# Altium PCB 4layers.PcbDoc (part 2 of 2)
Units mm, origin at the board's own origin, x right, y up, seen from the top; angles counter-clockwise.
Board outline 110 x 95 mm, 4 copper layers (Top Layer, Int1, Int2, Bottom Layer), stack 1.526 mm thick; 122 components, 92 nets, 489 pads, 331 vias.
Unrouted connection lines stored in the file: 104.
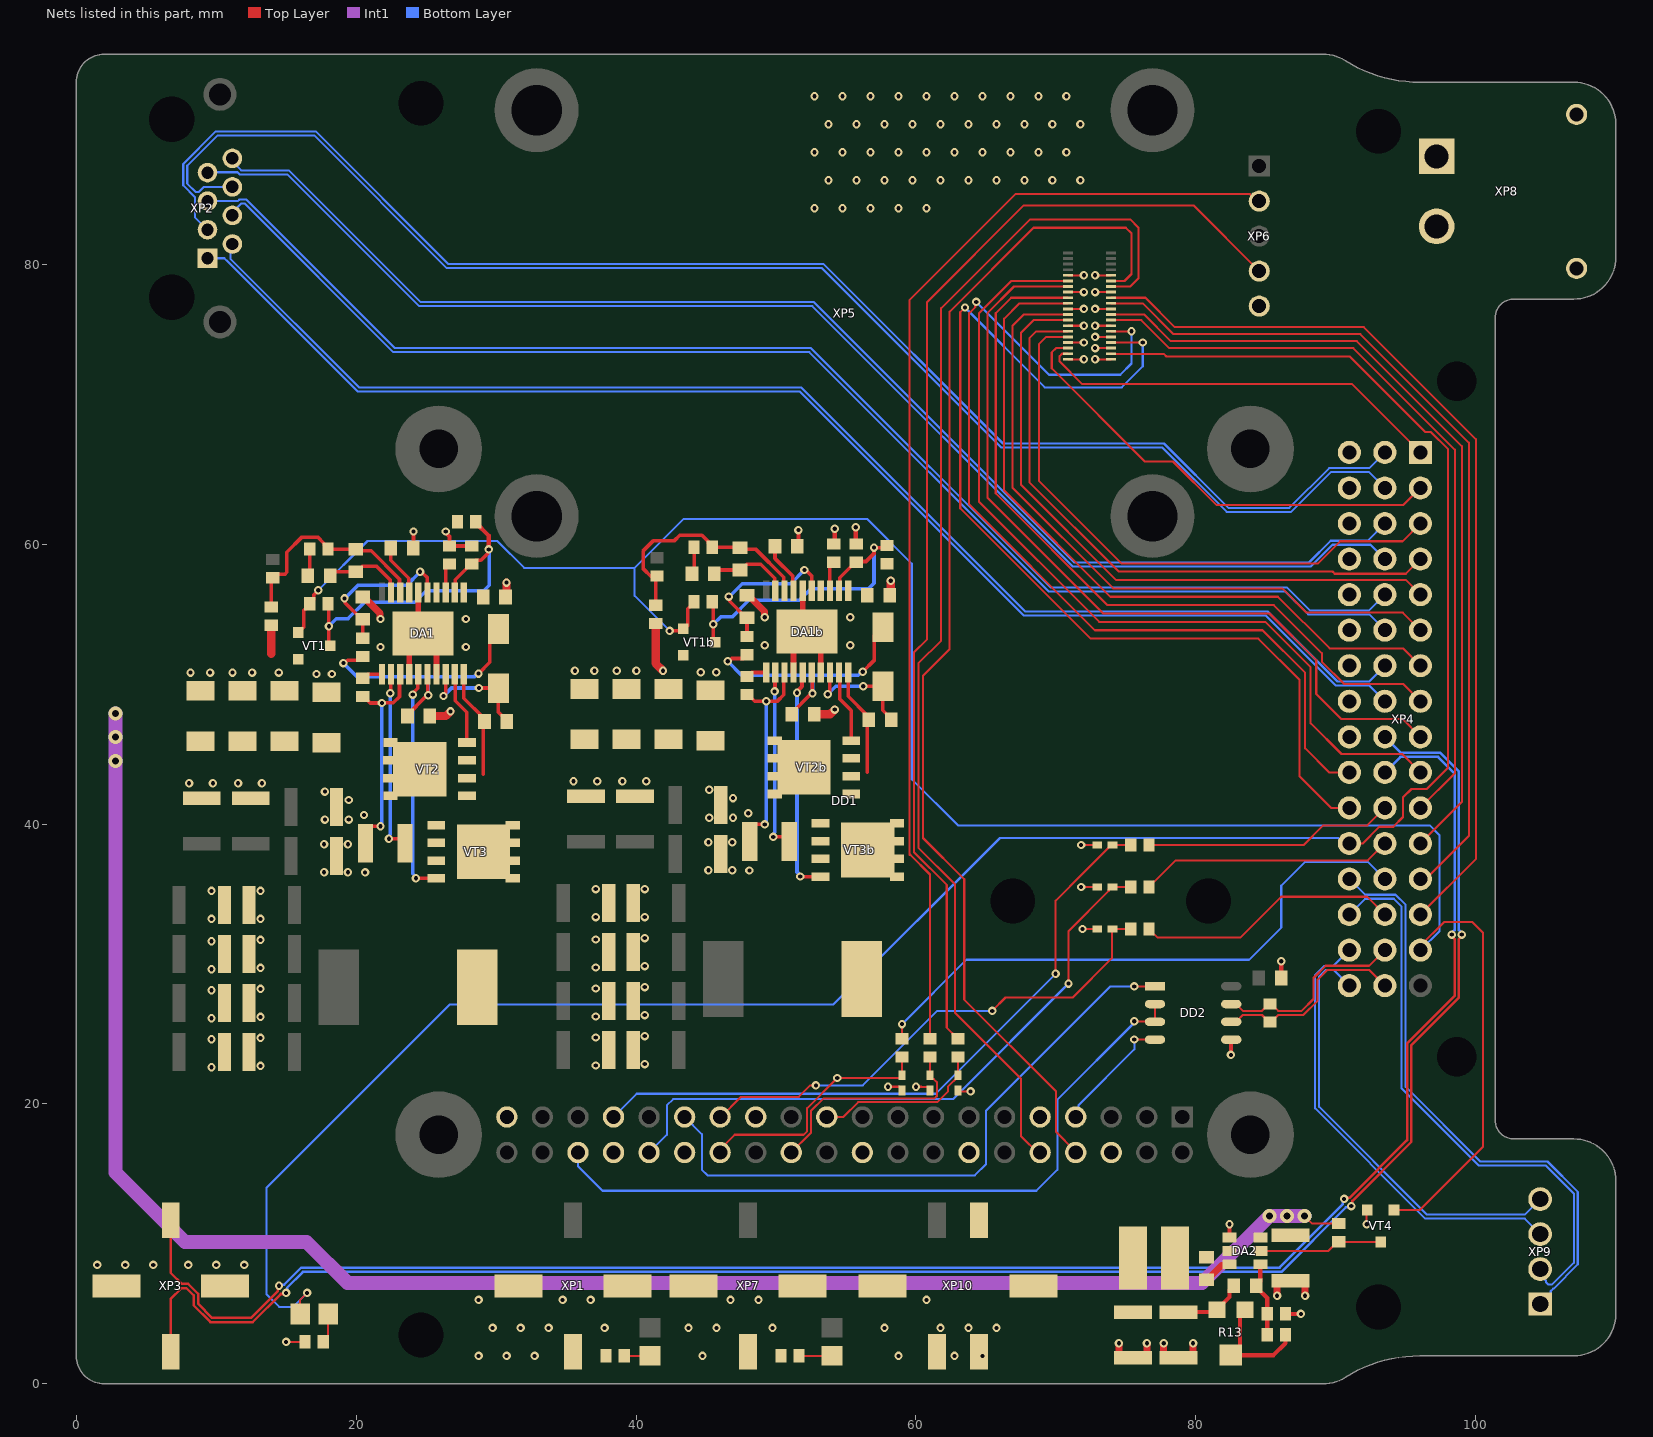
[diagram p4: the nets of this part, all layers, seen from the top]

## Via types
v1: diameter 0.6, hole 0.3, Top Layer to Bottom Layer, tented both sides, 324 vias
v2: diameter 1, hole 0.5, Top Layer to Bottom Layer, tented both sides, 6 vias
v3: diameter 0.6, hole 0.3, Top Layer to Bottom Layer, 1 vias

## Nets (pads, with @x,y where several pads share a name; then routed paths per layer and width w, separated by ;. In a path a pad name is that pad's centre, name@x,y a point inside that pad or via, vN(x,y) a via of type N, cw(c..) or ccw(c..) an arc to the next point about the centre after c; other vN are vias at no path point) (continued)
+V_BAT: C4.2 C4b.2 C8.2 C8b.2 C10.2 C10b.2 C12.2 C12b.2 C14.2 C14b.2 C24.2 DA1.1 DA1.4 DA1b.1 DA1b.4 DA2.3 R2.2 R2b.2 R18.2 VT2.5 VT2.6 VT2.7 VT2.8 VT2.9 VT2b.5 VT2b.6 VT2b.7 VT2b.8 VT2b.9 XP8.P | length 125.9
  Top Layer w0.15: v2@87.963,12 v2(87.75,12) 88.3,11.45 R18.2@90.2,11.45
  Int1 w1: v2(2.8,47.9) v2(2.8,46.2) v2(2.8,44.5) 2.8,15.1 7.763,10.137 16.463,10.137 19.4,7.2 80.45,7.2 v2(85.25,12) v2(86.5,12) v2(87.75,12)
  other v1: 52.75,84 54.75,84 56.75,84 58.75,84 60.75,84 53.75,86 55.75,86 57.75,86 59.75,86 61.75,86 63.75,86 65.75,86 67.75,86 69.75,86 71.75,86 52.75,88 54.75,88 56.75,88 58.75,88 60.75,88 62.75,88 64.75,88 66.75,88 68.75,88 70.75,88 53.75,90 55.75,90 57.75,90 59.75,90 61.75,90 63.75,90 65.75,90 67.75,90 69.75,90 71.75,90 52.75,92 54.75,92 56.75,92 58.75,92 60.75,92 62.75,92 64.75,92 66.75,92 68.75,92 70.75,92
+V_PUMP: C26.2 C27.2 C28.2 L2.2 R13.3 XP10.2 | length 5
  Top Layer w0.3: C27.2@78.75,5.125 81.325,5.125 R13.3@81.5,5.3 82.4,6.2 82.4,6.7 C26.2@82.7,7
BDSHOT1: XP4.A4 XP5.30 | length 44.3
  Top Layer w0.15: XP5.30@70.86,75.2 68.6,75.2 68.1,74.7 68.1,64.425 74.485,58.04 89.76,58.04 89.92,57.88 94.99,57.88 XP4.A4@96.04,58.93
BDSHOT2: XP4.A5 XP5.26 | length 46.4
  Top Layer w0.15: XP5.26@70.86,76 68.4,76 67.5,75.1 67.5,64.225 74.285,57.44 94.99,57.44 XP4.A5@96.04,56.39
BDSHOT3: XP4.A1 XP5.38 | length 29.5
  Top Layer w0.15: XP5.38@70.86,73.6 70.435,73.6 70.259,73.424 70.259,73.041 71.85,71.45 91.14,71.45 XP4.A1@96.04,66.55
BDSHOT4: XP4.A6 XP5.24 | length 49.2
  Top Layer w0.15: XP5.24@70.86,76.4 67.7,76.4 66.9,75.6 66.9,64.025 74.085,56.84 86.16,56.84 87.9,55.1 94.79,55.1 XP4.A6@96.04,53.85
BDSHOT5: XP4.A2 XP5.36 | length 33.3
  Top Layer w0.15: XP5.36@70.86,74 70,74 69.7,73.7 69.7,72.55 76.35,65.9 78.36,65.9 81.46,62.8 94.83,62.8 XP4.A2@96.04,64.01
BDSHOT6: XP4.A3 XP5.32 | length 42.9
  Top Layer w0.15: XP5.32@70.86,74.8 69.3,74.8 68.8,74.3 68.8,64.5 74.7,58.6 88.7,58.6 90.3,60.2 94.77,60.2 XP4.A3@96.04,61.47
BDSHOT7: XP4.A7 XP5.20 | length 52.2
  Top Layer w0.15: XP5.20@70.86,77.2 67.4,77.2 66.3,76.1 66.3,63.825 73.886,56.24 85.86,56.24 89.55,52.55 94.8,52.55 XP4.A7@96.04,51.31
BDSHOT8: XP4.A8 XP5.18 | length 55.3
  Top Layer w0.15: XP5.18@70.86,77.6 66.8,77.6 65.7,76.5 65.7,63.625 73.685,55.64 85.56,55.64 89,52.2 89,51.6 90.6,50 94.81,50 XP4.A8@96.04,48.77
BDSHOT9: XP4.A9 XP5.14 | length 59.2
  Top Layer w0.15: XP5.14@70.86,78.4 67,78.4 65.1,76.5 65.1,63.325 73.385,55.04 85.26,55.04 88.6,51.7 88.6,49.29 90.39,47.5 94.77,47.5 XP4.A9@96.04,46.23
BDSHOT10: XP4.A10 XP5.12 | length 62.7
  Top Layer w0.15: XP5.12@70.86,78.8 66.8,78.8 64.5,76.5 64.5,63.025 73.085,54.44 84.96,54.44 88.2,51.2 88.2,47.2 90.4,45 94.73,45 XP4.A10@96.04,43.69
DCDC_EN: R1.1 R1b.1 VT1.1 VT1b.1 VT4.1 XP4.A15 | length 152.9
  Top Layer w0.15: VT4.1@94.15,12.425 96,12.425 100.5,16.925 100.5,32.25 99.75,33 97.75,33 96.04,31.29 XP4.A15@96.04,30.99
  Top Layer w0.254: VT1.1@15.842,53.649 16.242,54.049 16.242,55.247 16.391,55.396 16.419,55.396 16.692,55.669 R1.1@16.692,55.744 16.965,56.017 16.965,56.365 v1(17.3,56.7) ; v1(42.4,53.8) 43.28,53.8 43.3,53.78 43.7,54.18 43.7,55.378 43.849,55.527 43.877,55.527 44.15,55.8 R1b.1@44.15,55.875
  Bottom Layer w0.15: v1(17.3,56.7) 20.817,60.217 30.083,60.217 32,58.3 39.9,58.3 ; v1(42.4,53.8) 39.9,56.3 39.9,58.3 ; XP4.A15@96.04,30.99 97.4,32.35 97.4,39.2 96.7,39.9 63,39.9 59.7,43.2 59.7,58.6 56.5,61.8 43.4,61.8 39.9,58.3
"ETH 1_N": XP2.2 XP4.B7 | length 96.6
  Bottom Layer w0.15: XP2.2@11.16,81.44 11.017,81.297 11.017,80.392 20.225,71.184 51.816,71.184 67.817,55.183 85.117,55.183 90.118,50.182 92.372,50.182 XP4.B7@93.5,51.31
"ETH 1_P": XP2.1 XP4.B8 | length 97.2
  Bottom Layer w0.15: XP2.1@9.38,80.42 10.587,80.42 10.816,80.191 20.107,70.9 51.698,70.9 67.699,54.899 84.999,54.899 90,49.898 92.372,49.898 XP4.B8@93.5,48.77
"ETH 2_N": XP2.6 XP4.B2 | length 104.2
  Bottom Layer w0.15: XP2.6@11.16,85.52 9.129,85.52 8.771,85.162 8.522,85.162 7.934,85.75 7.934,87.034 10.1,89.2 16.998,89.2 26.482,79.716 53.284,79.716 66.1,66.9 77.598,66.9 82.198,62.3 86.8,62.3 89.638,65.138 92.372,65.138 XP4.B2@93.5,64.01
"ETH 2_P": XP2.3 XP4.B1 | length 105
  Bottom Layer w0.15: XP2.3@9.38,82.46 8.481,83.359 8.481,84.801 7.65,85.632 7.65,87.152 9.982,89.484 17.116,89.484 26.6,80 53.402,80 66.218,67.184 77.716,67.184 82.316,62.584 86.682,62.584 89.52,65.422 92.372,65.422 XP4.B1@93.5,66.55
"ETH 3_N": XP2.5 XP4.B5 | length 96.8
  Bottom Layer w0.15: XP2.5@9.38,84.5 11.547,84.5 11.668,84.621 12.152,84.621 22.773,74 52.502,74 69.618,56.884 86.518,56.884 88.14,55.262 92.372,55.262 XP4.B5@93.5,56.39
"ETH 3_P": XP2.4 XP4.B6 | length 95.5
  Bottom Layer w0.15: XP2.4@11.16,83.48 11.16,83.711 11.786,84.337 12.034,84.337 22.655,73.716 52.384,73.716 69.5,56.6 86.4,56.6 88.022,54.978 92.372,54.978 XP4.B6@93.5,53.85
"ETH 4_N": XP2.8 XP4.B3 | length 95.6
  Bottom Layer w0.15: XP2.8@11.16,87.56 11.16,87.329 11.786,86.703 15.197,86.703 24.616,77.284 52.716,77.284 71.316,58.684 88.082,58.684 89.637,60.239 92.269,60.239 XP4.B3@93.5,61.47
"ETH 4_P": XP2.7 XP4.B4 | length 96.9
  Bottom Layer w0.15: XP2.7@9.38,86.54 9.407,86.567 11.52,86.567 11.668,86.419 15.079,86.419 24.498,77 52.598,77 71.198,58.4 88.2,58.4 89.755,59.955 92.475,59.955 XP4.B4@93.5,58.93
eth_5_N: XP4.C15 XP9.3 | length 32.5
  Bottom Layer w0.15: XP4.C15@90.96,30.99 89.832,29.862 89.16,29.862 88.516,29.218 88.516,19.682 96.39,11.808 103.492,11.808 XP9.3@104.6,10.7
eth_5_P: XP4.C16 XP9.4 | length 31.6
  Bottom Layer w0.15: XP4.C16@90.96,28.45 89.832,29.578 89.278,29.578 88.8,29.1 88.8,19.8 96.508,12.092 103.492,12.092 XP9.4@104.6,13.2
eth_6_N: XP4.C13 XP9.1 | length 42.3
  Bottom Layer w0.15: XP4.C13@90.96,36.07 92.088,34.942 94.26,34.942 94.984,34.218 94.984,21.216 100.316,15.884 105.118,15.884 107.284,13.718 107.284,8.538 105.554,6.808 105.526,6.808 105.35,6.632 105.35,6.45 XP9.1@104.6,5.7
eth_6_P: XP4.C14 XP9.2 | length 41.6
  Bottom Layer w0.15: XP4.C14@90.96,33.53 92.088,34.658 94.142,34.658 94.7,34.1 94.7,21.098 100.198,15.6 105,15.6 107,13.6 107,8.655 105.437,7.092 105.188,7.092 105.012,7.268 105.012,7.368 104.6,7.781 XP9.2@104.6,8.2
GA_N: XP3.2 XP4.B10 | length 133.2
  Top Layer w0.18: XP3.2@6.75,11.7 6.75,7.939 7.551,7.138 8.006,7.138 8.705,6.439 8.705,5.729 9.717,4.717 12.487,4.717 14.407,6.637 14.407,6.932 v1(14.487,7.013) ; v1(90.587,13.213) 90.668,13.293 90.963,13.293 95.093,17.423 95.093,24.327 98.484,27.718 98.484,31.777 98.275,31.986 v1(98.275,32.1)
  Bottom Layer w0.18: v1(14.487,7.013) 14.568,7.093 14.863,7.093 16.077,8.307 85.977,8.307 90.507,12.837 90.507,13.132 v1(90.587,13.213) ; XP4.B10@93.5,43.69 94.61,44.8 97.3,44.8 98.484,43.616 98.484,32.423 98.275,32.214 v1(98.275,32.1)
GA_P: XP3.1 XP4.B9 | length 134.2
  Top Layer w0.18: XP3.1@6.75,2.3 6.75,6.061 7.52,6.831 7.879,6.831 8.398,6.312 8.398,5.602 9.59,4.41 12.615,4.41 14.624,6.42 14.92,6.42 v1(15,6.5) ; v1(91.1,12.7) 91.18,12.78 91.18,13.076 95.4,17.296 95.4,24.2 98.791,27.591 98.791,31.777 99,31.986 v1(99,32.1)
  Bottom Layer w0.18: v1(15,6.5) 15.08,6.58 15.08,6.876 16.204,8 86.104,8 90.724,12.62 91.02,12.62 v1(91.1,12.7) ; XP4.B9@93.5,46.23 94.623,45.107 97.427,45.107 98.791,43.743 98.791,32.423 99,32.214 v1(99,32.1)
GND: C3.1 C3b.1 C4.1 C4b.1 C5.1 C5b.1 C6.1 C6b.1 C7.1 C7b.1 C8.1 C8b.1 C9.1 C9b.1 C10.1 C10b.1 C11.1 C11b.1 C12.1 C12b.1 C13.1 C13b.1 C14.1 C14b.1 C15.1 C15b.1 C16.2 C16b.2 C17.1 C17b.1 C18.1 C18b.1 C20.1 C20b.1 C21.1 C21b.1 C22.1 C22b.1 C23.1 C23b.1 C24.1 C27.1 C28.1 C29.2 DA1.6 DA1.13 DA1.14 DA1.17 DA1.21 DA1b.6 DA1b.13 DA1b.14 DA1b.17 DA1b.21 DA2.4 DD1.6 DD1.9 DD1.14 DD1.20 DD1.25 DD1.30 DD1.34 DD1.39 DD2.5 R3.1 R3b.1 R5.1 R5b.1 R7.2 R7b.2 R8.1 R8b.1 R10.1 R10b.1 R12.1 R15.1 R16.1 R17.1 VD2.1 VD4.1 VD5.1 VD7.1 VD8.1 VD9.1 VT1.2 VT1b.2 VT4.2 XP1.0 XP1.2 XP3.0 XP4.C1 XP4.C2 XP4.C3 XP4.C4 XP4.C5 XP4.C6 XP4.C7 XP4.C8 XP4.C9 XP5.9 XP5.10 XP5.15 XP5.16 XP5.21 XP5.22 XP5.27 XP5.28 XP5.31 XP5.34 XP5.35 XP5.39 XP5.40 XP6.5 XP7.0 XP7.2 XP8.0 XP8.N XP10.0 XP10.3 XP10.4 | length 106.6
  Top Layer w0.15: v1(15,3) R15.1@16.35,3 ; v1(58,21.225) 58.825,21.225 59,21.05 VD8.1@59,20.95 ; v1(60,21.225) 60.375,21.225 60.4,21.2 60.825,21.2 61,21.025 VD7.1@61,20.95 ; VD5.1@63,20.95 63.054,20.896 v1(63.904,20.896) ; XP5.40@70.86,73.2 v1(72,73.2) ; XP5.34@70.86,74.4 v1(72,74.4) ; XP5.28@70.86,75.6 v1(72,75.6) ; XP5.22@70.86,76.8 v1(72,76.8) ; XP5.16@70.86,78 v1(72,78) ; XP5.10@70.86,79.2 v1(72,79.2) ; v1(71.8,35.5) VD2.1@72.95,35.5 ; v1(71.8,38.5) VD4.1@72.95,38.5 ; v1(71.9,32.5) VD9.1@72.95,32.5 ; v1(72.8,73.2) XP5.39@73.94,73.2 ; v1(72.8,74) XP5.35@73.94,74 ; v1(72.8,74.8) XP5.31@73.94,74.8 ; v1(72.8,75.6) XP5.27@73.94,75.6 ; v1(72.8,76.8) XP5.21@73.94,76.8 ; v1(72.8,78) XP5.15@73.94,78 ; v1(72.8,79.2) XP5.9@73.94,79.2 ; v1(92.2,11.4) 92.2,12.38 VT4.2@92.245,12.425
  Top Layer w0.2: v1@13.169,35.042 v1(13.169,35.217)
  Top Layer w0.254: R7.2@20.469,49.117 20.544,49.117 21.017,48.644 v1(21.842,48.644) 21.85,48.652 22.65,48.652 23.1,49.102 23.1,50.648 DA1.13@23.144,50.692 ; R8.1@20.669,38.617 20.669,39.421 21.092,39.844 v1(21.742,39.844) ; C4.1@30.669,56.217 C4.1@30.742,56.29 ; R7b.2@47.927,49.248 48.002,49.248 48.475,48.775 v1(49.3,48.775) 49.308,48.783 50.108,48.783 50.558,49.233 50.558,50.779 DA1b.13@50.602,50.823 ; R8b.1@48.127,38.748 48.127,39.552 48.55,39.975 v1(49.2,39.975) ; C4b.1@58.127,56.348 C4b.1@58.2,56.421
  Top Layer w0.3: C5.1@24.069,59.717 24.1,59.748 v1(24.1,60.9) ; v1(26.4,60.9) 26.4,60.819 26.669,60.55 R5.1@26.669,59.867 R3.1@28.269,59.867 ; C5b.1@51.527,59.848 51.6,59.921 v1(51.6,61) ; R5b.1@54.127,59.998 54.2,60.071 v1(54.2,61.1) ; v1(55.7,61.2) 55.7,60.025 R3b.1@55.727,59.998 ; DA2.4@82.4,10.45 v1(82.4,11.4) ; v1(82.5,23.5) 82.512,23.512 82.512,24.583 DD2.5@82.525,24.595 ; C29.2@86.1,29 v1(86.1,30.2) ; R12.1@86.4,5 v1(87.5,5)
  Top Layer w0.4: DA1.14@23.794,50.692 DA1.21@23.794,52.642 ; DA1.21@24.444,53.942 DA1.6@24.444,56.542 ; DA1.17@25.744,50.692 DA1.21@25.744,52.642 ; DA1b.14@51.252,50.823 DA1b.21@51.252,52.773 ; DA1b.21@51.902,54.073 DA1b.6@51.902,56.673 ; DA1b.17@53.202,50.823 DA1b.21@53.202,52.773
  Top Layer w0.5: C3.1@20.469,56.217 20.544,56.217 21.723,55.038 21.723,54.663 v1(21.742,54.644) ; C3b.1@47.927,56.348 48.002,56.348 49.181,55.169 49.181,54.794 v1(49.2,54.775) ; v1(74.5,2.9) 74.5,2.102 74.727,1.875 C28.1@75.5,1.875 76.273,1.875 76.5,2.102 v1(76.5,2.9) ; v1(77.7,2.9) 77.7,2.102 77.927,1.875 79.573,1.875 79.8,2.102 v1(79.8,2.9) ; v1(85.8,6.3) 85.8,7.148 86.027,7.375 87.573,7.375 87.8,7.148 v1(87.8,6.3)
  Top Layer w0.6: 13.942,52.169 R10.1@13.942,54.194 ; C16.2@25.269,47.717 26.415,47.717 v1(26.742,48.044) ; C4.1@30.742,56.29 v1(30.742,57.244) ; R10b.1@41.4,54.325 41.4,51.475 v1(41.927,50.948) ; C16b.2@52.727,47.848 53.873,47.848 v1(54.2,48.175) ; C4b.1@58.2,56.421 v1(58.2,57.375)
  Bottom Layer w0.254: v1(21.742,39.844) 21.742,39.938 21.842,40.038 v1(21.842,48.644) ; v1(49.2,39.975) 49.2,40.069 49.3,40.169 v1(49.3,48.775)
  other v1: 28.75,2 30.75,2 32.75,2 44.75,2 58.75,2 62.75,2 64.75,2 29.75,4 31.75,4 33.75,4 37.75,4 43.75,4 45.75,4 49.75,4 57.75,4 61.75,4 63.75,4 65.75,4 28.75,6 34.75,6 36.75,6 46.75,6 48.75,6 60.75,6 1.5,8.5 3.5,8.5 5.5,8.5 8,8.5 10,8.5 12,8.5 9.669,22.617 13.169,22.717 37.127,22.748 40.627,22.848 9.669,24.617 13.169,24.717 37.127,24.748 40.627,24.848 9.669,26.117 13.169,26.217 37.127,26.248 40.627,26.348 9.669,28.117 13.169,28.217 37.127,28.248 40.627,28.348 9.669,29.617 13.169,29.717 37.127,29.748 40.627,29.848 9.669,31.617 13.169,31.717 37.127,31.748 40.627,31.848 9.669,33.217 13.169,33.217 37.127,33.348 40.627,33.348 9.669,35.217 37.127,35.348 40.627,35.348 17.71,36.558 19.41,36.558 20.642,36.544 48.1,36.675 45.168,36.689 46.868,36.689 17.71,38.558 19.41,38.558 45.168,38.689 46.868,38.689 17.769,40.317 19.469,40.317 45.227,40.448 46.927,40.448 20.561,40.644 48.019,40.775 19.469,41.717 46.927,41.848 17.769,42.317 45.227,42.448 8.069,42.917 9.769,42.917 11.569,42.917 13.269,42.917 35.527,43.048 37.227,43.048 39.027,43.048 40.727,43.048 17.169,50.717 18.269,50.717 8.169,50.817 9.569,50.817 11.169,50.817 12.569,50.817 14.469,50.817 44.627,50.848 45.727,50.848 35.627,50.948 37.027,50.948 38.627,50.948 40.027,50.948 21.742,52.644 27.842,52.644 49.2,52.775 55.3,52.775 27.842,54.644 55.3,54.775
"Killswitch indicator": HL1.1 XP4.C12 XP5.37 | length 160.6
  Top Layer w0.15: HL1.1@16,5 16,6 v1(16.5,6.5) ; XP5.37@73.94,73.6 73.965,73.575 77.725,73.575 77.9,73.4 91,73.4 96.4,68 96.8,68 98,66.8 98,44 96.5,42.5 95.4,42.5 94.8,41.9 94.8,40.5 94.1,39.8 93.1,39.8 91.91,38.61 XP4.C12@90.96,38.61
  Bottom Layer w0.15: v1(16.5,6.5) 15.5,5.5 14.5,5.5 13.6,6.4 13.6,14 26.7,27.1 54.1,27.1 66,39 85.5,39 90.164,39 90.554,38.61 XP4.C12@90.96,38.61
NetC1_1: C1.1 C2.1 DA1.9 | length 5.9
  Top Layer w0.254: C2.1@18.142,57.744 18.415,58.017 C1.1@19.969,58.017 20.044,58.017 20.444,58.417 21.458,58.417 22.45,57.425 22.45,56.586 DA1.9@22.494,56.542
NetC1_2: C1.2 DA1.8 R4.2 R9.1 R10.2 | length 15.5
  Top Layer w0.254: R10.2@13.942,55.494 13.942,57.494 R9.1@14.042,57.594 14.28,57.832 14.893,57.832 15.042,57.98 15.042,59.408 16.134,60.5 17.25,60.5 17.719,60.031 17.719,59.917 R4.2@17.992,59.644 19.942,59.644 C1.2@19.969,59.617 ; C1.2@19.972,59.514 21.08,59.514 23.1,57.493 23.1,56.586 DA1.8@23.144,56.542
NetC1b_1: C1b.1 C2b.1 DA1b.9 | length 5.9
  Top Layer w0.254: C2b.1@45.6,57.875 45.873,58.148 C1b.1@47.427,58.148 47.502,58.148 47.902,58.548 48.916,58.548 49.908,57.556 49.908,56.717 DA1b.9@49.952,56.673
NetC1b_2: C1b.2 DA1b.8 R4b.2 R9b.1 R10b.2 | length 17.2
  Top Layer w0.254: R10b.2@41.4,55.625 41.4,57.625 41.125,57.625 40.5,58.25 40.5,59.5 41.25,60.25 42.75,60.25 43.131,60.631 44.708,60.631 45.177,60.162 45.177,60.048 R4b.2@45.45,59.775 47.4,59.775 C1b.2@47.427,59.748 ; C1b.2@47.43,59.645 48.537,59.645 50.558,57.624 50.558,56.717 DA1b.8@50.602,56.673
NetC2b_2: C2b.2 R4b.1 | length 2
  Top Layer w0.254: C2b.2@44,57.875 44.15,58.025 R4b.1@44.15,59.775
NetC5b_2: C5b.2 DA1b.7 | length 3.7
  Top Layer w0.254: C5b.2@49.927,59.848 49.927,58.974 51.208,57.693 51.208,56.717 DA1b.7@51.252,56.673
NetC16_1: C16.1 DA1.16 R6.1 VD1.1 | length 20.4
  Top Layer w0.254: v1(19.092,51.494) 19.186,51.494 19.386,51.694 20.196,51.694 R6.1@20.469,51.967 ; C16.1@23.669,47.717 23.669,47.792 24.994,49.117 25.069,49.117 v1@25.082,49.129 ; DA1.16@25.094,50.692 25.122,50.664 25.122,49.225 v1(25.149,49.197) ; v1(28.742,50.744) 29.546,51.548 29.546,53.309 VD1.1@30.169,53.932
  Bottom Layer w0.254: v1(19.092,51.494) 20.081,50.505 25.149,50.505 ; v1(25.149,49.197) 25.149,50.505 ; v1(28.742,50.744) 28.659,50.744 28.42,50.505 25.149,50.505
NetC16b_1: C16b.1 DA1b.16 R6b.1 VD1b.1 | length 20.4
  Top Layer w0.254: v1(46.55,51.625) 46.644,51.625 46.844,51.825 47.654,51.825 R6b.1@47.927,52.098 ; C16b.1@51.127,47.848 51.127,47.923 52.452,49.248 52.527,49.248 v1@52.54,49.261 ; DA1b.16@52.552,50.823 52.58,50.795 52.58,49.356 v1(52.607,49.328) ; v1(56.2,50.875) 57.004,51.679 57.004,53.44 VD1b.1@57.627,54.063
  Bottom Layer w0.254: v1(46.55,51.625) 47.539,50.636 52.607,50.636 ; v1(52.607,49.328) 52.607,50.636 ; v1(56.2,50.875) 56.117,50.875 55.878,50.636 52.607,50.636
NetC19_1: C19.1 DA1.18 VD1.2 | length 8.4
  Top Layer w0.254: v1(26.242,49.144) 26.242,49.238 26.394,49.39 DA1.18@26.394,50.692 ; v1(28.769,49.717) 30.154,49.717 VD1.2@30.169,49.702 30.169,47.992 30.769,47.392 C19.1@30.769,47.317
  Bottom Layer w0.254: v1(26.242,49.144) 26.815,49.717 v1(28.769,49.717)
NetC19_2: C19.2 DA1.20 L1.1 VT2.1 VT2.2 VT2.3 VT3.5 VT3.6 VT3.7 VT3.8 VT3.9 | length 7.7
  Top Layer w0.254: DA1.20@27.694,50.692 27.694,48.992 29.069,47.617 29.069,43.566
NetC19b_1: C19b.1 DA1b.18 VD1b.2 | length 8.4
  Top Layer w0.254: v1(53.7,49.275) 53.7,49.369 53.852,49.521 DA1b.18@53.852,50.823 ; v1(56.227,49.848) 57.612,49.848 VD1b.2@57.627,49.833 57.627,48.123 58.227,47.523 C19b.1@58.227,47.448
  Bottom Layer w0.254: v1(53.7,49.275) 54.273,49.848 v1(56.227,49.848)
NetC19b_2: C19b.2 DA1b.20 L1b.1 VT2b.1 VT2b.2 VT2b.3 VT3b.5 VT3b.6 VT3b.7 VT3b.8 VT3b.9 | length 7.7
  Top Layer w0.254: DA1b.20@55.152,50.823 55.152,49.123 56.527,47.748 56.527,43.697
NetC25_1: C25.1 DA2.6 | length 2.1
  Top Layer w0.5: C25.1@80.75,7.45 80.825,7.45 81.825,8.45 82.3,8.45 DA2.6@82.4,8.55
NetC25_2: C25.2 DA2.5 L2.1
NetC26_1: C26.1 DA2.1 R11.1 R12.2 | length 5.5
  Top Layer w0.3: DA2.1@84.6,8.55 84.6,7.3 C26.1@84.3,7 84.3,6.925 85.1,6.125 R12.2@85.1,5 R11.1@85.1,3.5
NetDA1_2: DA1.2 R1.2 R2.1 R3.2 VT1.3 | length 25.2
  Top Layer w0.254: R1.2@17.992,55.744 18.052,55.684 v1(18.052,54.134) 18.042,54.124 18.042,52.882 17.992,52.832 VT1.3@18.128,52.696 ; DA1.2@27.044,56.542 27.088,56.586 27.088,57.461 28.194,58.567 R3.2@28.269,58.567 28.542,58.84 28.918,58.84 29.403,59.325 29.403,59.551 v1(29.469,59.617) ; R2.1@28.4,61.825 R2.1@28.475,61.75
  Top Layer w0.3: R2.1@28.55,61.6 28.55,61.525 29.469,60.606 v1(29.469,59.617)
  Bottom Layer w0.254: v1(18.052,54.134) 18.581,54.663 19.442,54.663 ; 19.442,54.69 20.596,55.844 24.196,55.844 25.015,56.663 29.124,56.663 29.523,57.062 29.523,59.563 v1(29.469,59.617)
NetDA1_3: DA1.3 R5.2 | length 2.1
  Top Layer w0.254: DA1.3@26.394,56.542 26.394,58.294 26.667,58.567 R5.2@26.669,58.567
NetDA1_11: DA1.11 R7.1 | length 1.5
  Top Layer w0.254: R7.1@20.469,50.417 20.544,50.417 20.819,50.692 DA1.11@21.844,50.692
NetDA1_12: DA1.12 R8.2 VT3.1 VT3.2 VT3.3 | length 13.1
  Top Layer w0.254: v1(22.342,38.944) 23.168,38.944 R8.2@23.495,38.617 ; v1(22.442,49.344) 22.468,49.37 22.468,50.666 DA1.12@22.494,50.692
  Bottom Layer w0.254: v1(22.342,38.944) 22.408,39.01 22.408,39.232 22.442,39.266 v1(22.442,49.344)
NetDA1_15: DA1.15 VT3.4 | length 16.3
  Top Layer w0.254: v1(24.042,49.244) 24.042,49.338 24.4,49.696 24.4,50.648 DA1.15@24.444,50.692 ; v1(24.269,36.117) 24.272,36.114 25.724,36.114 VT3.4@25.726,36.112
  Bottom Layer w0.254: v1(24.042,49.244) 24.042,36.438 24.269,36.211 v1(24.269,36.117)
NetDA1_19: DA1.19 VT2.4 | length 5.2
  Top Layer w0.254: DA1.19@27.044,50.692 27.088,50.648 27.088,48.798 27.912,47.974 VT2.4@27.912,45.822
NetDA1b_2: DA1b.2 R1b.2 R2b.1 R3b.2 VT1b.3 | length 23.7
  Top Layer w0.254: R1b.2@45.45,55.875 45.51,55.815 v1(45.51,54.265) 45.5,54.255 45.5,53.014 45.45,52.964 VT1b.3@45.586,52.828 ; DA1b.2@54.502,56.673 54.546,56.717 54.546,57.592 55.652,58.698 R3b.2@55.727,58.698 55.784,58.755 56.434,58.755 56.929,59.25 57,59.321 v1(57,59.75) 57.7,59.75 57.702,59.748 R2b.1@57.777,59.823
  Bottom Layer w0.254: v1(45.51,54.265) 46.039,54.794 46.9,54.794 ; 46.9,54.821 48.054,55.975 51.654,55.975 52.473,56.794 56.582,56.794 57,57.212 v1(57,59.75)
NetDA1b_3: DA1b.3 R5b.2 | length 2.1
  Top Layer w0.254: DA1b.3@53.852,56.673 53.852,58.425 54.125,58.698 R5b.2@54.127,58.698
NetDA1b_11: DA1b.11 R7b.1 | length 1.5
  Top Layer w0.254: R7b.1@47.927,50.548 48.002,50.548 48.277,50.823 DA1b.11@49.302,50.823
NetDA1b_12: DA1b.12 R8b.2 VT3b.1 VT3b.2 VT3b.3 | length 13.1
  Top Layer w0.254: v1(49.8,39.075) 50.626,39.075 R8b.2@50.953,38.748 ; v1(49.9,49.475) 49.926,49.501 49.926,50.797 DA1b.12@49.952,50.823
  Bottom Layer w0.254: v1(49.8,39.075) 49.866,39.141 49.866,39.363 49.9,39.397 v1(49.9,49.475)
NetDA1b_15: DA1b.15 VT3b.4 | length 16.3
  Top Layer w0.254: v1(51.5,49.375) 51.5,49.469 51.858,49.827 51.858,50.779 DA1b.15@51.902,50.823 ; v1(51.727,36.248) 51.73,36.246 53.182,36.246 VT3b.4@53.184,36.243
  Bottom Layer w0.254: v1(51.5,49.375) 51.5,36.569 51.727,36.342 v1(51.727,36.248)
NetDA1b_19: DA1b.19 VT2b.4 | length 5.2
  Top Layer w0.254: DA1b.19@54.502,50.823 54.546,50.779 54.546,48.929 55.37,48.105 VT2b.4@55.37,45.953
NetDA2_2: DA2.2 R18.1 VT4.3 | length 9.2
  Top Layer w0.15: DA2.2@84.8,9.7 DA2.2@84.6,9.5 89.475,9.5 90.125,10.15 R18.1@90.2,10.15 90.211,10.139 VT4.3@93.197,10.139
NetDD1_36: DD1.36 DD2.2 DD2.3 | length 52.2
  Top Layer w0.15: v1(75.6,25.9) 75.617,25.883 77.057,25.883 DD2.3@77.075,25.865 DD2.2@77.075,27.135
  Bottom Layer w0.15: DD1.36@35.85,16.53 35.85,15.55 37.6,13.8 68.6,13.8 70.1,15.3 70.1,20.3 v1@75.65,25.85
NetHL1_2: HL1.2 R15.2 | length 2.1
  Top Layer w0.15: R15.2@17.65,3 17.65,3.075 18,3.425 HL1.2@18,5
NetHL2_2: HL2.2 R16.2 | length 2.4
  Top Layer w0.15: R16.2@51.65,2 HL2.2@54,2
NetHL3_2: HL3.2 R17.2 | length 1.9
  Top Layer w0.15: R17.2@39.15,2 HL3.2@41,2
NetR11_2: R11.2 R13.1 R13.2 | length 8.5
  Top Layer w0.3: R13.2@82.5,2.05 R13.2@82.55,2.05 ; R13.1@83.5,5.3 83.15,4.95 83.15,2.65 R13.2@82.55,2.05 ; R11.2@86.4,3.5 86.4,2.9 85.55,2.05 R13.2@82.55,2.05
NetR19_2: R19.2 XP4.B12 | length 18.2
  Top Layer w0.15: R19.2@76.65,35.5 76.65,35.575 76.975,35.9 77.05,35.9 78.55,37.4 92.29,37.4 XP4.B12@93.5,38.61
NetR21_2: R21.2 XP4.B11 | length 17.9
  Top Layer w0.15: R21.2@76.683,38.5 87.7,38.5 89.1,39.9 92.25,39.9 XP4.B11@93.5,41.15
NetR23_2: R23.2 XP6.4 | length 82.9
  Top Layer w0.15: R23.2@63,24.65 62.925,24.65 62.6,24.975 62.6,25.05 62.2,25.45 62.2,35.65 59.85,38 59.85,52.25 60.8,53.2 60.8,77.3 67.7,84.2 79.825,84.2 XP6.4@84.525,79.5
NetR24_2: R24.2 XP6.2 | length 81.8
  Top Layer w0.15: R24.2@61,24.65 61,36.39 59.59,37.8 59.525,37.8 59.525,77.425 67.104,85.004 83.857,85.004 84.361,84.5 XP6.2@84.525,84.5
NetR25_2: R25.2 XP4.B13 | length 42.6
  Top Layer w0.15: R25.2@59,24.65 v1(59,25.7)
  Bottom Layer w0.15: v1(59,25.7) 63.6,30.3 83.8,30.3 86.1,32.6 86.1,35.6 87.8,37.3 92.27,37.3 XP4.B13@93.5,36.07
NetR26_2: R26.2 XP4.B14 | length 18.9
  Top Layer w0.15: R26.2@76.65,32.5 76.65,32.425 76.975,32.1 77.05,32.1 77.25,31.9 83.2,31.9 86.1,34.8 92.23,34.8 XP4.B14@93.5,33.53
"PWM 1": XP4.A11 XP5.25 | length 55
  Top Layer w0.15: XP5.25@73.94,76 76.1,76 78.1,74 91.25,74 98.5,66.75 98.5,43.61 XP4.A11@96.04,41.15
"PWM 2": XP4.A12 XP5.23 | length 58.6
  Top Layer w0.15: XP5.23@73.94,76.4 76.3,76.4 78.2,74.5 91.5,74.5 99,67 99,41.57 XP4.A12@96.04,38.61
"PWM 3": XP4.A13 XP5.19 | length 62.5
  Top Layer w0.15: XP5.19@73.94,77.2 76.2,77.2 78.4,75 91.75,75 99.5,67.25 99.5,39.141 96.429,36.07 XP4.A13@96.04,36.07
"PWM 4": XP4.A14 XP5.17 | length 66.4
  Top Layer w0.15: XP5.17@73.94,77.6 76.4,77.6 78.5,75.5 92,75.5 100,67.5 100,37.49 XP4.A14@96.04,33.53 XP4.A14@95.65,33.14
R4_C2_a: C2.2 R4.1 | length 2
  Top Layer w0.254: C2.2@16.542,57.744 16.692,57.894 R4.1@16.692,59.644
RAMP_JSON: C3.2 DA1.5 R6.2 | length 11.4
  Top Layer w0.254: v1(19.169,56.117) 19.235,56.051 19.235,55.776 20.394,54.617 C3.2@20.469,54.617 R6.2@20.469,53.267 ; v1(24.569,58.017) 24.635,57.951 24.735,57.951 25.094,57.592 DA1.5@25.094,56.542
  Bottom Layer w0.254: v1(19.169,56.117) 19.191,56.117 20.118,57.044 23.596,57.044 v1(24.569,58.017)
RAMP_RPI: C3b.2 DA1b.5 R6b.2 | length 11.4
  Top Layer w0.254: v1(46.627,56.248) 46.693,56.182 46.693,55.907 47.852,54.748 C3b.2@47.927,54.748 R6b.2@47.927,53.398 ; v1(52.027,58.148) 52.093,58.082 52.193,58.082 52.552,57.723 DA1b.5@52.552,56.673
  Bottom Layer w0.254: v1(46.627,56.248) 46.649,56.248 47.576,57.175 51.054,57.175 v1(52.027,58.148)
RS485_N: DD2.6 R14.1 XP4.B16 | length 14.3
  Top Layer w0.15: DD2.6@82.525,25.865 82.866,25.865 83.351,26.35 83.931,26.35 84.725,26.35 85.225,25.85 R14.1@85.3,25.85 85.375,25.85 85.875,26.35 87.674,26.35 88.7,27.376 88.7,28.876 89.394,29.57 92.38,29.57 XP4.B16@93.5,28.45
RS485_P: DD2.7 R14.2 XP4.B15 | length 14.3
  Top Layer w0.15: DD2.7@82.525,27.135 82.866,27.135 83.351,26.65 84.055,26.65 84.725,26.65 85.225,27.15 R14.2@85.3,27.15 85.375,27.15 85.875,26.65 87.55,26.65 88.4,27.5 88.4,29 89.27,29.87 92.38,29.87 XP4.B15@93.5,30.99
SS_a: C5.2 DA1.7 | length 3.7
  Top Layer w0.254: C5.2@22.469,59.717 22.469,58.843 23.75,57.562 23.75,56.586 DA1.7@23.794,56.542
UART0_RX: DD1.10 XP5.13 | length 87.4
  Top Layer w0.15: DD1.10@68.77,16.43 67.5,17.7 67.5,21.8 62.8,26.5 62.8,35.675 60.175,38.3 60.175,51.475 61.8,53.1 61.8,76.849 68.151,83.2 75.3,83.2 75.9,82.6 75.9,79 75.3,78.4 XP5.13@73.94,78.4
UART0_TX: DD1.8 XP5.11 | length 85.7
  Top Layer w0.15: DD1.8@71.31,16.43 71.31,16.69 70,18 70,20.9 63.45,27.45 63.45,36.05 60.5,39 60.5,50.6 62.4,52.5 62.4,76.6 68.4,82.6 75,82.6 75.4,82.2 75.4,79.3 74.9,78.8 XP5.11@73.94,78.8
UART2_RX: DD1.28 R25.1 VD8.2 | length 18.1
  Top Layer w0.15: DD1.28@45.565,16.315 47.05,17.8 51.971,17.8 52.225,18.054 52.225,19.702 v1(54.375,21.852) 58.825,21.852 59,22.027 VD8.2@59,22.05 R25.1@59,23.35
  Bottom Layer w0.15: v1(54.375,21.852) v1@54.375,21.875
UART2_TX: DD1.27 R26.1 VD9.2 | length 36.1
  Top Layer w0.15: DD1.27@46.04,19.04 47.5,20.5 51.625,20.5 52.45,21.325 v3(52.85,21.325) ; v1(65.45,26.65) 66.4,27.6 71.2,27.6 74,30.4 74,32.45 VD9.2@74.05,32.5 R26.1@75.35,32.5
  Bottom Layer w0.15: v3(52.85,21.325) 56.2,21.325 61.525,26.65 v1(65.45,26.65)
UART3_RX: DD1.29 DD2.1 | length 44.6
  Top Layer w0.15: v1(75.6,28.4) 77.07,28.4 DD2.1@77.075,28.405
  Bottom Layer w0.15: DD1.29@43.47,19.07 44.7,17.84 44.7,15.3 45.1,14.9 64.2,14.9 65,15.7 65,19.5 73.9,28.4 v1(75.6,28.4)
UART3_TX: DD1.7 DD2.4 | length 8.7
  Top Layer w0.15: v1(75.6,24.6) 75.602,24.597 77.072,24.597 DD2.4@77.075,24.595
  Bottom Layer w0.15: DD1.7@71.41,19.07 71.607,19.267 71.607,19.907 75.6,23.9 v1(75.6,24.6)
UART4_RX: DD1.21 R23.1 VD5.2 | length 12.5
  Top Layer w0.15: DD1.21@53.53,18.97 DD1.21@53.53,19.28 ; DD1.21@53.63,19.07 54.81,19.07 55.865,20.125 61.525,20.125 62.3,20.9 62.3,21.25 63,21.95 VD5.2@63,22.05 R23.1@63,23.35
UART4_TX: DD1.24 R24.1 VD7.2 | length 16.2
  Top Layer w0.15: DD1.24@50.99,16.43 52.5,17.94 52.5,19.5 53.4,20.4 61.333,20.4 61.5,20.567 61.5,21.55 61.275,21.775 61.175,21.775 61,21.95 R24.1@61,23.35
UART5_RX: DD1.33 R21.1 VD4.2 | length 48.2
  Top Layer w0.15: v1(69.975,29.3) 69.975,34.525 71.95,36.5 73.95,38.5 VD4.2@74.05,38.5 R21.1@75.35,38.5
  Bottom Layer w0.15: DD1.33@38.29,18.97 40.045,20.725 61.402,20.725 v1(69.975,29.3) v1(69.975,29.3)
UART5_TX: DD1.32 R19.1 VD2.2 | length 45.9
  Top Layer w0.15: v1(70.9,28.6) 70.9,32.35 73.775,35.225 73.775,35.325 73.95,35.5 VD2.2@74.05,35.5 R19.1@75.35,35.5
  Bottom Layer w0.15: DD1.32@40.83,16.43 42.2,17.8 42.2,19.9 42.646,20.346 62.646,20.346 v1(70.9,28.6)
V_BAT_1: XP4.C10 XP5.29 | length 70.3
  Top Layer w0.15: v1(64.3,77.3) 64.232,77.232 64.232,76.925 63.8,76.493 63.8,62.825 72.785,53.84 84.76,53.84 87.8,50.8 87.8,45.4 89.51,43.69 XP4.C10@90.96,43.69 ; XP5.29@73.94,75.2 v1(75.4,75.2)
  Bottom Layer w0.15: v1(64.3,77.3) 69.5,72.1 74.6,72.1 75.4,72.9 v1(75.4,75.2)
V_BAT_2: XP4.C11 XP5.33 | length 74.8
  Top Layer w0.15: v1(63.5,76.9) 63.164,76.564 63.164,62.562 72.485,53.24 84.46,53.24 87.4,50.3 87.4,43.4 89.65,41.15 XP4.C11@90.96,41.15 ; XP5.33@73.94,74.4 v1(76.2,74.4)
  Bottom Layer w0.15: v1(63.5,76.9) 69.2,71.2 74.7,71.2 76.2,72.7 v1(76.2,74.4)
pads on no net: DD1.1 DD1.3 DD1.5 DD1.11 DD1.12 DD1.13 DD1.15 DD1.16 DD1.17 DD1.18 DD1.19 DD1.22 DD1.23 DD1.26 DD1.31 DD1.35 DD1.37 DD1.38 DD1.40 DD1.S1 DD1.S2 DD1.S3 DD1.S4 XP2. XP2.MH1 XP2.MH2 XP4. XP4.A16 XP5.2 XP5.4 XP5.6 XP5.8 XP5.NC XP6.3

## Polygon pours and split planes (outlines as drawn)
NetC19b_2 on Top Layer "NETC19B_2_L01_P070" (solid, pour order 70): 54.327,25.448 59.927,25.448 59.927,45.248 54.327,45.248
+V_PUMP on Top Layer "NONET_L-01_P-001" (solid, pour order 102): 74.15,8.6 74.15,3.9 80.35,3.9 80.35,6.3 76.95,6.3 76.95,11.7 73.95,11.7 72.85,12.8 64,12.8 64,10.5 72.25,10.5
GND on Top Layer "NONET_L-01_P-001" (solid, pour order 108): 28.1,9 71,9 71,0.2 28.1,0.2
+V_BAT on Top Layer "+V_BAT_L01_P092" (solid, remove dead copper, pour order 92): 86.75,83.75 86.75,80.25 88.5,78.5 108,78.5 109,79.5 109,91.5 95,91.5 93.5,93 91,93 89,95 16,95 16,71 0,71 0,43.5 46.587,43.5 49.087,41 59.2,41 59.2,79.3 65.4,85.5 82.5,85.5 85,85.5
+V_BAT on Top Layer "NONET_L-01_P-001" (solid, pour order 103): 83.6,11.7 83.6,12.8 88.9,12.8 88.9,10.1 83.6,10.1
GND on Top Layer "GND_L01_P087_no_thrl" (solid, pour order 87): 55.7,51.775 48.7,51.775 48.7,55.775 55.7,55.775
GND on Top Layer "GND_L01_P068_no_thrl" (solid, pour order 68): 28.242,51.644 21.242,51.644 21.242,55.644 28.242,55.644
+5В on Top Layer "NONET_L-01_P-001" (solid, pour order 105): 40,14 56.5,14 56.5,9 40,9
+5В on Top Layer "+5В_L01_P061" (solid, pour order 61): 44.25,35.6 44.35,35.7 53.9,35.7 53.9,22.2 53.7,22 41.5,22 41.5,36.5 36.25,36.5 36.25,22 33.35,22 33.35,40.35 41.75,40.35 41.75,43.75 44.25,43.75
+V_BAT on Top Layer "+V_BAT_L01_P072" (solid, pour order 72): 54.027,41.348 54.027,46.648 48.027,46.648 46.927,47.748 32.8,47.748 32.8,43.748 46.627,43.748 49.027,41.348
GND on Top Layer "GND_L01_P086_no_thrl" (solid, pour order 86): 35,52.25 35,47.748 32.8,47.748 32.8,22.225 44.427,22.225 44.427,35.975 48.8,35.975 48.8,45.348 46.927,45.348 46.927,50.348 45.025,52.25
NetC19_2 on Top Layer "NETC19_2_L01_P062" (solid, pour order 62): 26.869,25.317 32.469,25.317 32.469,45.117 26.869,45.117
GND on Top Layer "GND_L01_P093" (solid, pour order 93): 0.5,5.5 0.5,9.5 13.5,9.5 13.5,5.5
+12В_JETSON on Top Layer "+12В_JETSON_L01_P064" (solid, pour order 64): 20,24.9 20,17 23,14 37,14 37,8 17.5,8 10.5,15 6,15 5.342,15.658 5.342,40.217 14.569,40.217 14.569,43.317 16.969,43.317 16.969,35.475 20.369,32.16 20.369,25.236
NetC25_2 on Top Layer "NONET_L-01_P-001" (solid, pour order 104): 83,9.1 83,9.9 78.2,9.9 78.2,8.4 81.1,8.4 81.8,9.1
GND on Top Layer "GND_L01_P067_no_thrl" (solid, pour order 67): 21.366,35.861 16.993,35.861 16.993,22.111 5.366,22.111 5.366,52.734 16.993,52.734 19.493,50.234 19.493,45.234 21.366,45.234
GND on Top Layer "GND_L01_P060" (solid, pour order 60): 9,36 14,36 14,22 9,22
NetDA1b_12 on Top Layer "NETDA1B_12_L01_P071" (solid, pour order 71): 54,41.075 54,37.048 50.127,37.048 50.127,41.075
NetDA1_12 on Top Layer "NETDA1_12_L01_P063" (solid, pour order 63): 26.542,40.944 26.542,36.917 22.669,36.917 22.669,40.944
+V_BAT on Top Layer "+V_BAT_L01_P065" (solid, pour order 65): 26.569,41.217 26.569,46.517 20.569,46.517 19.469,47.617 5.342,47.617 5.342,43.617 19.169,43.617 21.569,41.217
GND on Int1 "GND_L02_P111" (solid, pour order 111): 0,2 ccw(c2,2) 2,0 89.072,0 ccw(c89.072,3) 90.671,0.462 cw(c96,-8) 96,2 107,2 ccw(c107,5) 110,5 110,14.5 ccw(c107,14.5) 107,17.5 102.7,17.5 cw(c102.7,18.8) 101.4,18.8 101.4,76.2 cw(c102.7,76.2) 102.7,77.5 107,77.5 ccw(c107,80.5) 110,80.5 110,90 ccw(c107,90) 107,93 96,93 cw(c96,103) 90.671,94.538 ccw(c89.072,92) 89.072,95 2,95 ccw(c2,93) 0,93
+5В on Int1 "NONET_L-01_P-001" (solid, pour order 99): 54.5,41.5 47.5,48.5 47.132,48.632 42.5,48.632 42.5,76 51.5,85 72,85 72,79.1 75.5,79.1 75.5,86 85.414,86 85.414,88 48.5,88 38,77.5 38,48.5 17,27.5 17,9 76.645,9 80.014,12.369 80.014,22.5 54.5,22.5
GND on Int2 "GND_L03_P113" (solid, pour order 113): 0,2 ccw(c2,2) 2,0 89.072,0 ccw(c89.072,3) 90.671,0.462 cw(c96,-8) 96,2 107,2 ccw(c107,5) 110,5 110,14.5 ccw(c107,14.5) 107,17.5 102.7,17.5 cw(c102.7,18.8) 101.4,18.8 101.4,76.2 cw(c102.7,76.2) 102.7,77.5 107,77.5 ccw(c107,80.5) 110,80.5 110,90 ccw(c107,90) 107,93 96,93 cw(c96,103) 90.671,94.538 ccw(c89.072,92) 89.072,95 2,95 ccw(c2,93) 0,93
+V_BAT on Int2 "NONET_L-01_P-001" (solid, pour order 112): 102,92.75 92.036,92.75 89.786,95 50.5,95 50.5,82.25 50.75,82 75.25,82 81.75,75.5 94,75.5 102,83.5

## Keep-outs
Top Layer:
  circle w0.2: c93.04,89.5 r2.5
  circle w0.2: c24.64,3.5 r3.5
  circle w0.2: c93.04,5.5 r3.5
  circle w0.2: c24.64,91.5 r3.5
Keep-Out Layer:
  circle w0.2: c24.64,3.5 r2
  circle w0.2: c93.04,5.5 r2
  circle w0.2: c93.04,89.5 r2
  circle w0.2: c24.64,91.5 r2

## Silkscreen, mask and mechanical layers (free items; w line width, h text height)
Top Overlay:
  drawing of 3 lines, arcs and shapes, not listed
  text "VNAV" at 81.2,91.2 h2.5
  text "16V" at 96.7,90.237 h2.5
  text "5V" at 87.7,86.237 h2.5
  text "Hydronautics team" at 18.2,86.033 h1
  text "MOTHERBOARD WELT" at 18.2,83.7 h1
  text "TX" at 87.7,83.7 h2.5
  text "NC" at 87.7,81.237 h2.5
  text "V3.0" at 18.2,81.2 h1
  text "VMA SAUVC26" at 53.7,79.237 h2.5
  text "RX" at 87.7,78.7 h2.5
  text "GND" at 87.7,76.237 h2.5
  text "ETH 1000bs-t" at 4.1,72.237 h2.5
  text "RASPBERRY PI 4" at 53.7,67.237 h2.5
  text "5V" at 43.2,11.737 h2.5
  text "12V" at 29.7,11.7 h2.5
  text "PUMP" at 54.9,11.637 h2.5
  text "DF N" at 8.7,11.2 h2.5
  text "USB 2.0" at 14.1,11.137 h2.5
  text "DVL" at 97.8,8.2 h2.5 r90
  text "MOTOR EN" at 16.1,7.837 h2.5
  text "ETH 100bs-t" at 100.263,4.2 h2.5 r90
  text "DF P" at 8.7,1.2 h2.5
Mechanical1:
  circle w0.2: c94.46,28.45 r0.35
  circle w0.2: c91.92,28.45 r0.35
  circle w0.2: c94.46,66.55 r0.35
  circle w0.2: c93.04,5.5 r1.6
  circle w0.2: c80.909,34.5 r1.6
  circle w0.2: c66.909,34.5 r1.6
  lines w0.2: 0,0 0,95 ; 107,2 ccw(c107,5) 110,5 110,14.5 ccw(c107,14.5) 107,17.5 100,17.5 100,77.5 107,77.5
V Cut:
  lines w0.2: 66.409,42.5 cw(c66.409,47.5) 66.409,52.5 81.409,52.5 cw(c81.409,47.5) 81.409,42.5 66.409,42.5
Board Shape:
  the board outline again, w0.15

## Text inside footprints (layer, text, board x,y; h text height)
XP4: Mechanical 13 "PCB EDGE" at 100.3,75.7 h1 r90
XP5: Mechanical 13 "other than same circuit" at 74.353,83.66 h0.41 r90; Mechanical 13 "No Pattern area" at 73.54,83.66 h0.41 r90